# Altium PCB PCB.PcbDoc (part 6 of 7) (continued)
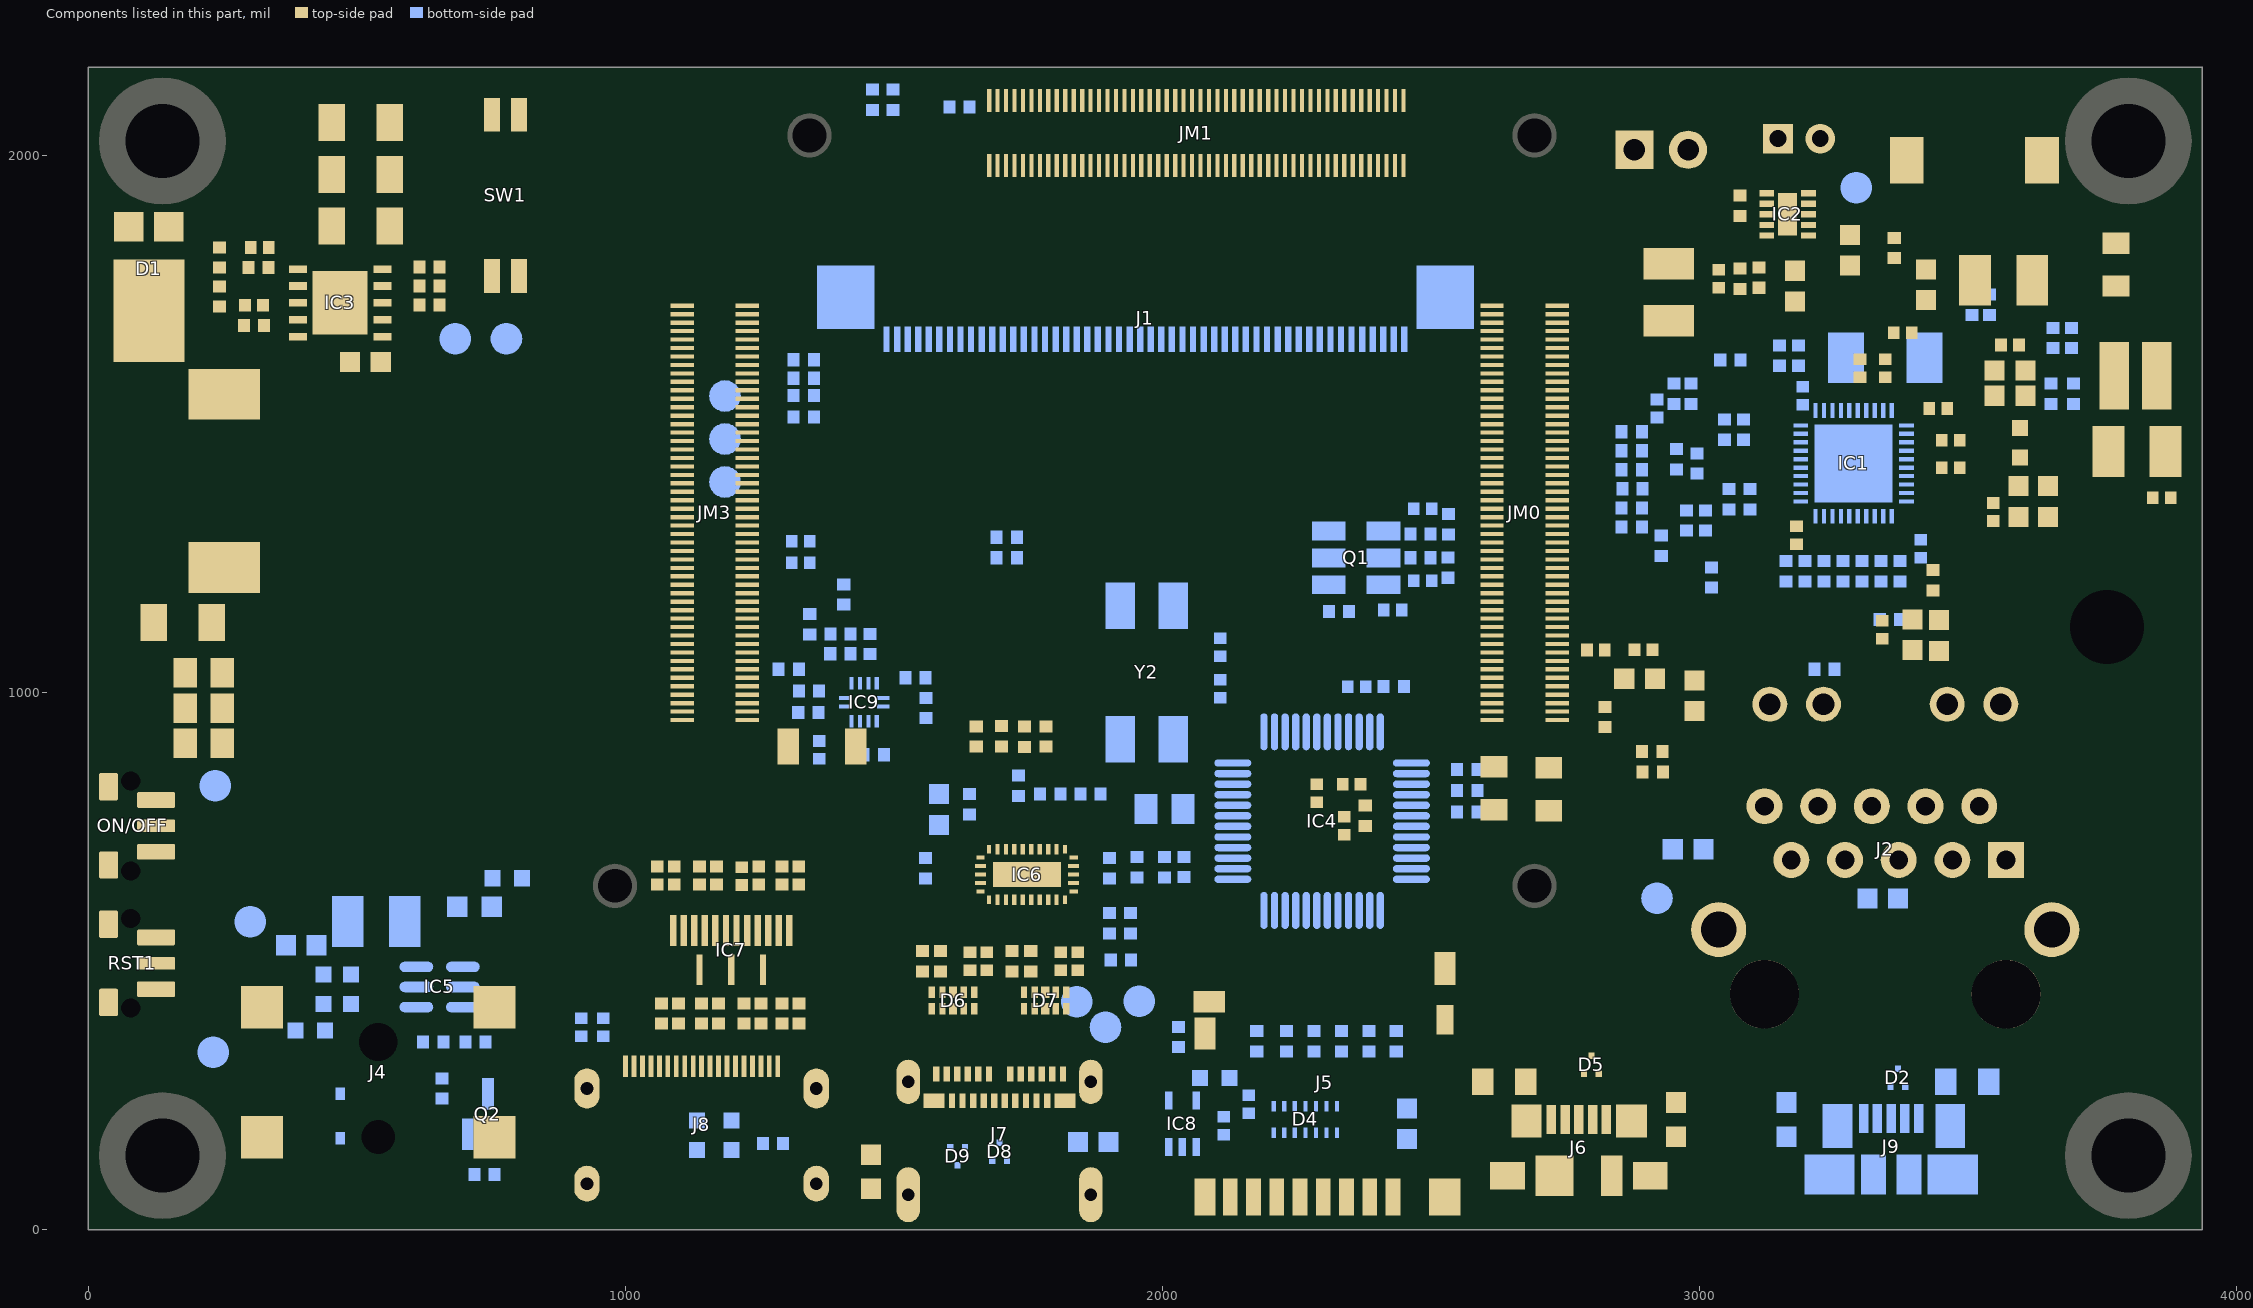
[diagram p10: the components of this part, seen from the top]
## Nets (pads, with @x,y where several pads share a name; then routed paths per layer and width w, separated by ;. In a path a pad name is that pad's centre, name@x,y a point inside that pad or via, vN(x,y) a via of type N, cw(c..) or ccw(c..) an arc to the next point about the centre after c; other vN are vias at no path point) (continued)
; 108.74,1492.69 108.74,1498.11 ; 108.74,1510.4 108.74,1515.82 ; 108.74,1521.24 108.74,1526.67 ; 108.74,1538.23 108.74,1544.02 ; 108.74,1550.52 108.74,1555.95 ; 108.74,1569.32 108.74,1574.74 ; 108.74,1593.9 108.74,1617.4 ; 108.92,1106.92 108.92,1184.28 ; 108.92,1243.2 108.92,1320.56 ; 109.11,1342.67 109.11,1348.09 ; 109.11,1360.38 109.11,1365.8 ; 109.11,1370.86 109.11,1376.65 ; 109.11,1388.22 109.11,1393.64 ; 109.11,1397.98 109.11,1421.11 ; 109.11,1426.53 109.11,1431.96 ; 109.11,1443.52 109.11,1448.95 ; 109.11,1467.74 109.11,1484.01 ; 109.11,1492.69 109.11,1498.11 ; 109.11,1510.4 109.11,1515.82 ; 109.11,1521.24 109.11,1526.67 ; 109.11,1538.23 109.11,1544.02 ; 109.11,1550.52 109.11,1555.95 ; 109.11,1569.32 109.11,1574.74 ; 109.11,1593.9 109.11,1617.4 ; 109.28,1106.92 109.28,1184.28 ; 109.28,1243.2 109.28,1320.56 ; 109.47,1342.67 109.47,1348.09 ; 109.47,1360.38 109.47,1365.8 ; 109.47,1370.86 109.47,1376.65 ; 109.47,1388.22 109.47,1393.64 ; 109.47,1397.98 109.47,1421.11 ; 109.47,1426.53 109.47,1431.96 ; 109.47,1443.52 109.47,1448.95 ; 109.47,1467.38 109.47,1482.56 ; 109.47,1492.69 109.47,1498.11 ; 109.47,1510.4 109.47,1515.82 ; 109.47,1521.24 109.47,1526.67 ; 109.47,1538.23 109.47,1544.02 ; 109.47,1550.52 109.47,1555.95 ; 109.47,1569.32 109.47,1574.74 ; 109.47,1593.9 109.47,1617.4 ; 109.64,1106.92 109.64,1183.92 ; 109.64,1243.57 109.64,1320.56 ; 109.83,1342.67 109.83,1348.09 ; 109.83,1360.38 109.83,1365.8 ; 109.83,1370.86 109.83,1376.65 ; 109.83,1388.22 109.83,1393.64 ; 109.83,1397.98 109.83,1403.4 ; 109.83,1415.69 109.83,1421.11 ; 109.83,1426.53 109.83,1431.96 ; 109.83,1443.52 109.83,1448.95 ; 109.83,1467.38 109.83,1479.31 ; 109.83,1492.69 109.83,1498.11 ; 109.83,1510.4 109.83,1515.82 ; 109.83,1521.24 109.83,1526.67 ; 109.83,1538.23 109.83,1544.02 ; 109.83,1550.52 109.83,1555.95 ; 109.83,1569.32 109.83,1574.74 ; 109.83,1594.26 109.83,1599.33 ; 109.83,1611.62 109.83,1617.4 ; 110,1106.92 110,1183.92 ; 110,1243.57 110,1320.56 ; 110.19,1342.67 110.19,1348.09 ; 110.19,1360.02 110.19,1365.8 ; 110.19,1370.86 110.19,1376.65 ; 110.19,1387.85 110.19,1393.64 ; 110.19,1397.98 110.19,1403.4 ; 110.19,1415.69 110.19,1421.11 ; 110.19,1426.53 110.19,1431.96 ; 110.19,1443.52 110.19,1448.95 ; 110.19,1467.38 110.19,1475.33 ; 110.19,1492.69 110.19,1498.11 ; 110.19,1510.4 110.19,1515.82 ; 110.19,1521.24 110.19,1526.67 ; 110.19,1538.23 110.19,1544.02 ; 110.19,1550.52 110.19,1555.95 ; 110.19,1569.32 110.19,1575.11 ; 110.19,1594.26 110.19,1599.33 ; 110.19,1611.62 110.19,1617.04 ; 110.36,1106.92 110.36,1183.92 ; 110.36,1243.57 110.36,1320.56 ; 110.55,1342.67 110.55,1348.09 ; 110.55,1360.02 110.55,1365.8 ; 110.55,1370.86 110.55,1376.65 ; 110.55,1387.85 110.55,1393.64 ; 110.55,1397.98 110.55,1403.4 ; 110.55,1415.69 110.55,1421.11 ; 110.55,1426.53 110.55,1431.96 ; 110.55,1443.52 110.55,1448.95 ; 110.55,1467.02 110.55,1474.25 ; 110.55,1492.69 110.55,1498.47 ; 110.55,1510.4 110.55,1515.82 ; 110.55,1521.24 110.55,1526.67 ; 110.55,1538.23 110.55,1544.02 ; 110.55,1550.52 110.55,1555.95 ; 110.55,1569.32 110.55,1575.11 ; 110.55,1594.26 110.55,1599.33 ; 110.55,1611.62 110.55,1617.04 ; 110.72,1106.92 110.72,1183.92 ; 110.72,1243.57 110.72,1320.56 ; 110.91,1342.67 110.91,1348.09 ; 110.91,1360.02 110.91,1365.8 ; 110.91,1370.86 110.91,1376.65 ; 110.91,1387.85 110.91,1393.64 ; 110.91,1397.98 110.91,1403.4 ; 110.91,1415.69 110.91,1421.11 ; 110.91,1426.53 110.91,1431.96 ; 110.91,1443.52 110.91,1448.95 ; 110.91,1467.02 110.91,1473.53 ; 110.91,1492.69 110.91,1498.47 ; 110.91,1510.4 110.91,1515.82 ; 110.91,1521.24 110.91,1526.67 ; 110.91,1538.23 110.91,1544.02 ; 110.91,1550.52 110.91,1555.95 ; 110.91,1569.32 110.91,1575.11 ; 110.91,1594.26 110.91,1599.69 ; 110.91,1611.62 110.91,1617.04 ; 111.08,1106.92 111.08,1183.92 ; 111.08,1243.57 111.08,1320.56 ; 111.27,1342.67 111.27,1348.09 ; 111.27,1360.02 111.27,1365.44 ; 111.27,1370.86 111.27,1376.65 ; 111.27,1387.85 111.27,1393.64 ; 111.27,1398.34 111.27,1403.4 ; 111.27,1415.33 111.27,1421.11 ; 111.27,1426.53 111.27,1431.96 ; 111.27,1443.52 111.27,1448.95 ; 111.27,1467.02 111.27,1472.8 ; 111.27,1492.69 111.27,1498.47 ; 111.27,1510.4 111.27,1515.82 ; 111.27,1521.24 111.27,1526.67 ; 111.27,1538.23 111.27,1544.02 ; 111.27,1550.52 111.27,1555.95 ; 111.27,1569.68 111.27,1575.11 ; 111.27,1594.26 111.27,1599.69 ; 111.27,1611.62 111.27,1617.04 ; 111.45,1106.92 111.45,1183.92 ; 111.45,1243.57 111.45,1320.56 ; 111.64,1342.67 111.64,1348.45 ; 111.64,1360.02 111.64,1365.44 ; 111.64,1370.86 111.64,1377.01 ; 111.64,1387.85 111.64,1393.64 ; 111.64,1398.34 111.64,1403.4 ; 111.64,1415.33 111.64,1421.11 ; 111.64,1426.53 111.64,1431.96 ; 111.64,1443.16 111.64,1448.95 ; 111.64,1467.02 111.64,1472.8 ; 111.64,1493.05 111.64,1498.47 ; 111.64,1510.04 111.64,1515.82 ; 111.64,1521.24 111.64,1526.67 ; 111.64,1538.23 111.64,1544.02 ; 111.64,1550.52 111.64,1555.95 ; 111.64,1569.68 111.64,1575.47 ; 111.64,1594.26 111.64,1599.69 ; 111.64,1611.62 111.64,1617.04 ; 111.81,1106.92 111.81,1183.92 ; 111.81,1243.57 111.81,1320.56 ; 112,1342.67 112,1348.45 ; 112,1360.02 112,1365.44 ; 112,1370.86 112,1377.01 ; 112,1387.85 112,1393.64 ; 112,1398.34 112,1403.76 ; 112,1415.33 112,1421.11 ; 112,1426.53 112,1432.32 ; 112,1443.16 112,1448.95 ; 112,1466.66 112,1472.44 ; 112,1493.05 112,1498.47 ; 112,1510.04 112,1515.82 ; 112,1521.24 112,1526.67 ; 112,1538.23 112,1544.02 ; 112,1550.52 112,1556.31 ; 112,1569.68 112,1575.47 ; 112,1594.63 112,1599.69 ; 112,1611.25 112,1617.04 ; 112.17,1106.92 112.17,1183.92 ; 112.17,1243.57 112.17,1320.56 ; 112.36,1343.03 112.36,1348.45 ; 112.36,1359.66 112.36,1365.44 ; 112.36,1370.86 112.36,1377.01 ; 112.36,1387.49 112.36,1393.28 ; 112.36,1398.34 112.36,1403.76 ; 112.36,1415.33 112.36,1420.75 ; 112.36,1426.53 112.36,1432.32 ; 112.36,1443.16 112.36,1448.95 ; 112.36,1466.66 112.36,1472.44 ; 112.36,1493.05 112.36,1498.83 ; 112.36,1510.04 112.36,1515.46 ; 112.36,1521.24 112.36,1526.67 ; 112.36,1538.23 112.36,1544.02 ; 112.36,1550.52 112.36,1556.31 ; 112.36,1569.68 112.36,1575.47 ; 112.36,1594.63 112.36,1599.69 ; 112.36,1611.25 112.36,1617.04 ; 112.53,1106.92 112.53,1183.92 ; 112.53,1243.57 112.53,1320.56 ; 112.72,1343.03 112.72,1348.81 ; 112.72,1359.66 112.72,1365.44 ; 112.72,1370.86 112.72,1377.37 ; 112.72,1387.49 112.72,1393.28 ; 112.72,1398.7 112.72,1403.76 ; 112.72,1414.97 112.72,1420.75 ; 112.72,1426.53 112.72,1432.32 ; 112.72,1442.8 112.72,1448.95 ; 112.72,1466.66 112.72,1472.44 ; 112.72,1493.05 112.72,1498.83 ; 112.72,1509.68 112.72,1515.46 ; 112.72,1521.24 112.72,1526.67 ; 112.72,1538.23 112.72,1544.02 ; 112.72,1550.52 112.72,1556.31 ; 112.72,1570.04 112.72,1575.83 ; 112.72,1594.63 112.72,1600.05 ; 112.72,1611.25 112.72,1617.04 ; 112.89,1106.92 112.89,1183.92 ; 112.89,1243.57 112.89,1320.56 ; 113.08,1343.03 113.08,1348.81 ; 113.08,1359.3 113.08,1365.44 ; 113.08,1370.86 113.08,1377.37 ; 113.08,1387.49 113.08,1393.28 ; 113.08,1398.7 113.08,1404.12 ; 113.08,1414.97 113.08,1420.75 ; 113.08,1426.53 113.08,1432.68 ; 113.08,1442.8 113.08,1448.95 ; 113.08,1466.66 113.08,1472.44 ; 113.08,1493.05 113.08,1499.19 ; 113.08,1509.68 113.08,1515.46 ; 113.08,1521.24 113.08,1526.67 ; 113.08,1538.23 113.08,1544.02 ; 113.08,1550.52 113.08,1556.67 ; 113.08,1570.04 113.08,1575.83 ; 113.08,1594.63 113.08,1600.05 ; 113.08,1610.89 113.08,1616.68 ; 113.25,1106.92 113.25,1183.92 ; 113.25,1243.57 113.25,1320.56 ; 113.44,1343.03 113.44,1349.17 ; 113.44,1359.3 113.44,1365.08 ; 113.44,1370.86 113.44,1377.37 ; 113.44,1387.13 113.44,1393.28 ; 113.44,1398.7 113.44,1404.12 ; 113.44,1414.6 113.44,1420.75 ; 113.44,1426.53 113.44,1432.68 ; 113.44,1442.44 113.44,1448.95 ; 113.44,1466.66 113.44,1472.44 ; 113.44,1493.41 113.44,1499.19 ; 113.44,1509.31 113.44,1515.46 ; 113.44,1521.24 113.44,1526.67 ; 113.44,1538.23 113.44,1544.02 ; 113.44,1550.52 113.44,1556.67 ; 113.44,1570.04 113.44,1576.19 ; 113.44,1587.76 113.44,1588.48 ; 113.44,1594.99 113.44,1600.41 ; 113.44,1610.89 113.44,1616.68 ; 113.61,1106.92 113.61,1183.92 ; 113.61,1243.57 113.61,1320.56 ; 113.8,1343.03 113.8,1349.17 ; 113.8,1358.93 113.8,1365.08 ; 113.8,1370.86 113.8,1377.73 ; 113.8,1387.13 113.8,1393.28 ; 113.8,1398.7 113.8,1404.48 ; 113.8,1414.6 113.8,1420.39 ; 113.8,1426.53 113.8,1433.04 ; 113.8,1442.44 113.8,1448.95 ; 113.8,1466.66 113.8,1472.44 ; 113.8,1493.41 113.8,1499.55 ; 113.8,1509.31 113.8,1515.46 ; 113.8,1521.24 113.8,1526.67 ; 113.8,1538.23 113.8,1544.02 ; 113.8,1550.52 113.8,1557.03 ; 113.8,1570.41 113.8,1576.55 ; 113.8,1587.4 113.8,1588.84 ; 113.8,1594.99 113.8,1600.41 ; 113.8,1610.53 113.8,1616.68 ; 113.98,1106.92 113.98,1183.56 ; 113.98,1243.93 113.98,1320.56 ; 114.17,1343.39 114.17,1349.54 ; 114.17,1358.57 114.17,1365.08 ; 114.17,1370.86 114.17,1378.09 ; 114.17,1386.77 114.17,1393.28 ; 114.17,1399.06 114.17,1404.84 ; 114.17,1414.24 114.17,1420.39 ; 114.17,1426.53 114.17,1433.4 ; 114.17,1442.08 114.17,1448.95 ; 114.17,1467.02 114.17,1472.44 ; 114.17,1484.37 114.17,1485.09 ; 114.17,1493.41 114.17,1499.92 ; 114.17,1508.95 114.17,1515.1 ; 114.17,1521.24 114.17,1526.67 ; 114.17,1538.23 114.17,1544.02 ; 114.17,1550.52 114.17,1557.39 ; 114.17,1570.41 114.17,1576.91 ; 114.17,1587.03 114.17,1589.2 ; 114.17,1594.99 114.17,1600.77 ; 114.17,1610.17 114.17,1616.32 ; 114.34,1106.92 114.34,1183.92 ; 114.34,1243.57 114.34,1320.56 ; 114.53,1343.39 114.53,1349.9 ; 114.53,1358.21 114.53,1364.72 ; 114.53,1370.86 114.53,1378.09 ; 114.53,1386.41 114.53,1393.28 ; 114.53,1399.06 114.53,1404.84 ; 114.53,1413.88 114.53,1420.39 ; 114.53,1426.53 114.53,1433.76 ; 114.53,1441.72 114.53,1448.58 ; 114.53,1467.02 114.53,1472.8 ; 114.53,1484.01 114.53,1485.46 ; 114.53,1493.77 114.53,1500.28 ; 114.53,1508.59 114.53,1515.1 ; 114.53,1521.24 114.53,1526.67 ; 114.53,1538.23 114.53,1544.02 ; 114.53,1550.52 114.53,1557.75 ; 114.53,1570.41 114.53,1577.27 ; 114.53,1586.67 114.53,1589.57 ; 114.53,1595.35 114.53,1601.13 ; 114.53,1610.17 114.53,1616.32 ; 114.7,1106.92 114.7,1183.92 ; 114.7,1243.57 114.7,1320.56 ; 114.89,1343.39 114.89,1350.26 ; 114.89,1357.85 114.89,1364.72 ; 114.89,1370.86 114.89,1378.45 ; 114.89,1386.05 114.89,1392.91 ; 114.89,1399.42 114.89,1405.21 ; 114.89,1413.52 114.89,1420.03 ; 114.89,1426.53 114.89,1434.12 ; 114.89,1441.35 114.89,1448.58 ; 114.89,1467.02 114.89,1472.8 ; 114.89,1483.29 114.89,1485.82 ; 114.89,1493.77 114.89,1500.64 ; 114.89,1508.23 114.89,1515.1 ; 114.89,1521.24 114.89,1526.67 ; 114.89,1538.23 114.89,1544.02 ; 114.89,1550.52 114.89,1558.12 ; 114.89,1565.35 114.89,1565.71 ; 114.89,1570.77 114.89,1577.64 ; 114.89,1586.31 114.89,1589.93 ; 114.89,1595.35 114.89,1601.49 ; 114.89,1609.81 114.89,1616.32 ; 115.06,1106.92 115.06,1183.92 ; 115.06,1243.57 115.06,1320.56 ; 115.25,1343.75 115.25,1350.98 ; 115.25,1357.49 115.25,1364.72 ; 115.25,1370.86 115.25,1379.18 ; 115.25,1385.68 115.25,1392.91 ; 115.25,1399.42 115.25,1405.93 ; 115.25,1413.16 115.25,1420.03 ; 115.25,1426.53 115.25,1434.49 ; 115.25,1440.99 115.25,1448.58 ; 115.25,1467.02 115.25,1473.17 ; 115.25,1482.56 115.25,1486.18 ; 115.25,1493.77 115.25,1501 ; 115.25,1507.51 115.25,1514.74 ; 115.25,1521.24 115.25,1526.67 ; 115.25,1538.23 115.25,1544.02 ; 115.25,1550.52 115.25,1558.48 ; 115.25,1564.62 115.25,1565.71 ; 115.25,1570.77 115.25,1578.36 ; 115.25,1585.59 115.25,1590.29 ; 115.25,1595.71 115.25,1601.86 ; 115.25,1609.45 115.25,1615.95 ; 115.42,1106.92 115.42,1183.92 ; 115.42,1243.57 115.42,1320.56 ; 115.61,1343.75 115.61,1351.7 ; 115.61,1356.77 115.61,1364.36 ; 115.61,1370.86 115.61,1379.9 ; 115.61,1384.96 115.61,1392.91 ; 115.61,1399.78 115.61,1406.29 ; 115.61,1412.8 115.61,1419.66 ; 115.61,1426.53 115.61,1435.21 ; 115.61,1440.27 115.61,1448.22 ; 115.61,1467.02 115.61,1473.53 ; 115.61,1481.84 115.61,1486.54 ; 115.61,1494.13 115.61,1501.72 ; 115.61,1506.78 115.61,1514.74 ; 115.61,1521.24 115.61,1526.67 ; 115.61,1538.23 115.61,1544.02 ; 115.61,1550.52 115.61,1559.2 ; 115.61,1563.9 115.61,1566.07 ; 115.61,1571.13 115.61,1579.08 ; 115.61,1584.87 115.61,1590.65 ; 115.61,1595.71 115.61,1602.22 ; 115.61,1608.72 115.61,1615.95 ; 115.78,1106.92 115.78,1183.92 ; 115.78,1243.57 115.78,1320.56 ; 115.97,1344.11 115.97,1352.79 ; 115.97,1355.68 115.97,1364.36 ; 115.97,1370.86 115.97,1380.62 ; 115.97,1383.88 115.97,1392.91 ; 115.97,1399.78 115.97,1407.01 ; 115.97,1412.07 115.97,1419.66 ; 115.97,1426.53 115.97,1436.29 ; 115.97,1439.19 115.97,1448.22 ; 115.97,1467.38 115.97,1474.25 ; 115.97,1480.76 115.97,1486.9 ; 115.97,1494.13 115.97,1502.81 ; 115.97,1505.7 115.97,1514.38 ; 115.97,1521.24 115.97,1526.67 ; 115.97,1538.23 115.97,1544.02 ; 115.97,1550.52 115.97,1560.28 ; 115.97,1563.18 115.97,1566.43 ; 115.97,1571.13 115.97,1580.17 ; 115.97,1583.78 115.97,1591.01 ; 115.97,1595.71 115.97,1602.94 ; 115.97,1608 115.97,1615.59 ; 116.14,1106.92 116.14,1183.92 ; 116.14,1243.57 116.14,1320.56 ; 116.34,1344.11 116.34,1364 ; 116.34,1370.86 116.34,1392.55 ; 116.34,1400.14 116.34,1408.1 ; 116.34,1410.99 116.34,1419.3 ; 116.34,1426.53 116.34,1447.86 ; 116.34,1467.38 116.34,1476.06 ; 116.34,1478.95 116.34,1486.9 ; 116.34,1494.49 116.34,1514.38 ; 116.34,1521.24 116.34,1526.67 ; 116.34,1538.23 116.34,1544.02 ; 116.34,1550.52 116.34,1566.79 ; 116.34,1571.49 116.34,1591.37 ; 116.34,1596.07 116.34,1604.02 ; 116.34,1606.92 116.34,1615.59 ; 116.51,1106.92 116.51,1183.92 ; 116.51,1243.57 116.51,1320.56 ; 116.7,1344.47 116.7,1363.63 ; 116.7,1370.86 116.7,1392.55 ; 116.7,1400.14 116.7,1419.3 ; 116.7,1426.53 116.7,1447.86 ; 116.7,1467.38 116.7,1487.26 ; 116.7,1494.85 116.7,1514.01 ; 116.7,1521.24 116.7,1526.67 ; 116.7,1538.23 116.7,1544.02 ; 116.7,1550.52 116.7,1567.15 ; 116.7,1571.85 116.7,1592.1 ; 116.7,1596.43 116.7,1615.23 ; 116.87,1106.92 116.87,1183.92 ; 116.87,1243.57 116.87,1320.56 ; 117.06,1344.84 117.06,1363.63 ; 117.06,1370.86 117.06,1392.19 ; 117.06,1400.51 117.06,1418.94 ; 117.06,1426.53 117.06,1447.5 ; 117.06,1467.74 117.06,1487.62 ; 117.06,1494.85 117.06,1513.65 ; 117.06,1521.24 117.06,1526.67 ; 117.06,1538.23 117.06,1544.02 ; 117.06,1550.52 117.06,1567.51 ; 117.06,1572.21 117.06,1591.73 ; 117.06,1596.43 117.06,1614.87 ; 117.23,1106.92 117.23,1183.92 ; 117.23,1243.57 117.23,1320.56 ; 117.42,1345.2 117.42,1363.27 ; 117.42,1370.86 117.42,1391.83 ; 117.42,1400.87 117.42,1418.58 ; 117.42,1426.53 117.42,1447.5 ; 117.42,1468.1 117.42,1487.99 ; 117.42,1495.22 117.42,1513.29 ; 117.42,1521.24 117.42,1526.67 ; 117.42,1538.23 117.42,1544.02 ; 117.42,1550.52 117.42,1567.51 ; 117.42,1572.21 117.42,1591.37 ; 117.42,1596.79 117.42,1614.51 ; 117.59,1106.92 117.59,1183.92 ; 117.59,1243.57 117.59,1320.56 ; 117.78,1345.2 117.78,1362.91 ; 117.78,1370.86 117.78,1391.83 ; 117.78,1400.87 117.78,1418.22 ; 117.78,1426.53 117.78,1447.14 ; 117.78,1468.1 117.78,1488.35 ; 117.78,1495.58 117.78,1513.29 ; 117.78,1521.24 117.78,1526.67 ; 117.78,1538.23 117.78,1544.02 ; 117.78,1550.52 117.78,1567.88 ; 117.78,1572.57 117.78,1591.01 ; 117.78,1597.16 117.78,1614.15 ; 117.95,1106.92 117.95,1183.92 ; 117.95,1243.57 117.95,1320.56 ; 118.14,1345.56 118.14,1362.55 ; 118.14,1370.86 118.14,1391.47 ; 118.14,1401.23 118.14,1417.86 ; 118.14,1426.53 118.14,1446.78 ; 118.14,1468.47 118.14,1487.99 ; 118.14,1495.94 118.14,1512.93 ; 118.14,1521.24 118.14,1526.67 ; 118.14,1538.23 118.14,1544.02 ; 118.14,1550.52 118.14,1568.24 ; 118.14,1572.94 118.14,1590.65 ; 118.14,1597.52 118.14,1614.15 ; 118.31,1106.92 118.31,1183.92 ; 118.31,1243.57 118.31,1320.56 ; 118.5,1345.92 118.5,1362.19 ; 118.5,1370.86 118.5,1376.65 ; 118.5,1377.01 118.5,1391.11 ; 118.5,1401.59 118.5,1417.5 ; 118.5,1426.53 118.5,1431.96 ; 118.5,1432.32 118.5,1446.41 ; 118.5,1468.83 118.5,1487.62 ; 118.5,1496.3 118.5,1512.57 ; 118.5,1521.24 118.5,1526.67 ; 118.5,1538.23 118.5,1544.02 ; 118.5,1550.52 118.5,1555.95 ; 118.5,1556.67 118.5,1568.6 ; 118.5,1573.3 118.5,1590.29 ; 118.5,1597.52 118.5,1613.78 ; 118.68,1106.92 118.68,1184.28 ; 118.68,1243.2 118.68,1320.56 ; 118.87,1346.28 118.87,1361.83 ; 118.87,1370.86 118.87,1376.65 ; 118.87,1377.37 118.87,1390.75 ; 118.87,1401.95 118.87,1417.13 ; 118.87,1426.53 118.87,1431.96 ; 118.87,1432.68 118.87,1446.05 ; 118.87,1469.19 118.87,1486.9 ; 118.87,1496.66 118.87,1512.21 ; 118.87,1521.24 118.87,1526.67 ; 118.87,1538.23 118.87,1544.02 ; 118.87,1550.52 118.87,1555.95 ; 118.87,1557.03 118.87,1568.96 ; 118.87,1573.66 118.87,1589.93 ; 118.87,1598.24 118.87,1613.06 ; 119.04,1106.92 119.04,1184.28 ; 119.04,1243.2 119.04,1320.56 ; 119.23,1346.64 119.23,1361.46 ; 119.23,1370.86 119.23,1376.65 ; 119.23,1377.73 119.23,1390.38 ; 119.23,1402.31 119.23,1416.77 ; 119.23,1426.53 119.23,1431.96 ; 119.23,1433.04 119.23,1446.05 ; 119.23,1469.55 119.23,1486.54 ; 119.23,1497.02 119.23,1511.84 ; 119.23,1521.24 119.23,1526.67 ; 119.23,1538.23 119.23,1544.02 ; 119.23,1550.52 119.23,1555.95 ; 119.23,1557.39 119.23,1569.32 ; 119.23,1574.38 119.23,1589.2 ; 119.23,1598.6 119.23,1612.7 ; 119.4,1106.92 119.4,1184.28 ; 119.4,1243.2 119.4,1320.56 ; 119.59,1347.37 119.59,1361.1 ; 119.59,1370.86 119.59,1376.65 ; 119.59,1378.09 119.59,1390.02 ; 119.59,1403.04 119.59,1416.05 ; 119.59,1426.53 119.59,1431.96 ; 119.59,1433.4 119.59,1445.33 ; 119.59,1469.91 119.59,1485.82 ; 119.59,1497.39 119.59,1511.12 ; 119.59,1521.24 119.59,1526.67 ; 119.59,1538.23 119.59,1544.02 ; 119.59,1550.52 119.59,1555.95 ; 119.59,1557.75 119.59,1569.32 ; 119.59,1574.74 119.59,1588.84 ; 119.59,1598.96 119.59,1612.34 ; 119.76,1106.92 119.76,1184.28 ; 119.76,1243.2 119.76,1320.56 ; 119.95,1347.73 119.95,1360.38 ; 119.95,1370.86 119.95,1376.65 ; 119.95,1378.45 119.95,1389.66 ; 119.95,1403.4 119.95,1415.69 ; 119.95,1426.53 119.95,1431.96 ; 119.95,1434.12 119.95,1444.97 ; 119.95,1470.63 119.95,1485.09 ; 119.95,1498.11 119.95,1510.76 ; 119.95,1521.24 119.95,1526.67 ; 119.95,1538.23 119.95,1544.02 ; 119.95,1550.52 119.95,1555.95 ; 119.95,1558.12 119.95,1568.96 ; 119.95,1575.47 119.95,1588.12 ; 119.95,1599.33 119.95,1611.62 ; 120.12,1106.92 120.12,1184.28 ; 120.12,1243.2 120.12,1320.56 ; 120.31,1348.45 120.31,1359.66 ; 120.31,1370.86 120.31,1376.65 ; 120.31,1379.18 120.31,1388.94 ; 120.31,1404.12 120.31,1414.97 ; 120.31,1426.53 120.31,1431.96 ; 120.31,1434.49 120.31,1444.25 ; 120.31,1471 120.31,1484.37 ; 120.31,1498.83 120.31,1510.04 ; 120.31,1521.24 120.31,1526.67 ; 120.31,1538.23 120.31,1544.02 ; 120.31,1550.52 120.31,1555.95 ; 120.31,1558.84 120.31,1568.24 ; 120.31,1576.19 120.31,1587.76 ; 120.31,1600.05 120.31,1610.89 ; 120.48,1106.92 120.48,1184.28 ; 120.48,1243.2 120.48,1320.56 ; 120.67,1349.17 120.67,1358.93 ; 120.67,1370.86 120.67,1376.65 ; 120.67,1379.9 120.67,1388.22 ; 120.67,1404.84 120.67,1414.24 ; 120.67,1426.53 120.67,1431.96 ; 120.67,1435.21 120.67,1443.52 ; 120.67,1472.08 120.67,1483.29 ; 120.67,1499.55 120.67,1509.31 ; 120.67,1521.24 120.67,1526.67 ; 120.67,1538.23 120.67,1544.02 ; 120.67,1550.52 120.67,1555.95 ; 120.67,1559.2 120.67,1567.51 ; 120.67,1576.91 120.67,1586.67 ; 120.67,1600.77 120.67,1610.17 ; 120.84,1106.92 120.84,1184.64 ; 120.84,1242.84 120.84,1320.56 ; 121.03,1350.26 121.03,1357.85 ; 121.03,1370.86 121.03,1376.65 ; 121.03,1380.99 121.03,1387.49 ; 121.03,1405.57 121.03,1413.16 ; 121.03,1426.53 121.03,1431.96 ; 121.03,1435.93 121.03,1442.8 ; 121.03,1472.8 121.03,1482.2 ; 121.03,1500.64 121.03,1508.23 ; 121.03,1521.24 121.03,1526.67 ; 121.03,1538.23 121.03,1544.02 ; 121.03,1550.52 121.03,1555.95 ; 121.03,1560.28 121.03,1566.79 ; 121.03,1578 121.03,1585.59 ; 121.03,1601.86 121.03,1609.45 ; 121.21,1106.92 121.21,1184.64 ; 121.21,1242.84 121.21,1320.56 ; 121.4,1351.34 121.4,1356.77 ; 121.4,1381.71 121.4,1386.41 ; 121.4,1407.01 121.4,1412.07 ; 121.4,1437.38 121.4,1441.72 ; 121.4,1474.61 121.4,1480.76 ; 121.4,1501.72 121.4,1507.15 ; 121.4,1561.37 121.4,1565.71 ; 121.4,1579.44 121.4,1584.5 ; 121.4,1603.3 121.4,1608 ; 121.57,1106.92 121.57,1184.64 ; 121.57,1242.84 121.57,1320.56 ; 121.93,1106.92 121.93,1184.64 ; 121.93,1242.84 121.93,1320.56 ; 122.29,1106.92 122.29,1185 ; 122.29,1242.48 122.29,1320.56 ; 122.65,1106.92 122.65,1185 ; 122.65,1242.48 122.65,1320.56 ; 123.01,1106.92 123.01,1185 ; 123.01,1242.48 123.01,1320.56 ; 123.37,1106.92 123.37,1185.37 ; 123.37,1242.12 123.37,1320.56 ; 123.74,1106.92 123.74,1185.37 ; 123.74,1242.12 123.74,1320.56 ; 124.1,1106.92 124.1,1185.37 ; 124.1,1242.12 124.1,1320.56 ; 124.46,1106.92 124.46,1185.73 ; 124.46,1241.76 124.46,1320.56 ; 124.82,1106.92 124.82,1185.73 ; 124.82,1241.76 124.82,1320.56 ; 125.18,1106.92 125.18,1185.73 ; 125.18,1241.76 125.18,1320.56 ; 125.54,1106.92 125.54,1186.09 ; 125.54,1241.4 125.54,1320.56 ; 125.91,1106.92 125.91,1186.09 ; 125.91,1241.4 125.91,1320.56 ; 126.27,1106.92 126.27,1186.45 ; 126.27,1241.03 126.27,1320.56 ; 126.63,1106.92 126.63,1186.45 ; 126.63,1241.03 126.63,1320.56 ; 126.99,1106.92 126.99,1186.81 ; 126.99,1240.67 126.99,1320.56 ; 127.35,1106.92 127.35,1186.81 ; 127.35,1240.67 127.35,1320.56 ; 127.71,1106.92 127.71,1187.17 ; 127.71,1240.31 127.71,1320.56 ; 128.07,1106.92 128.07,1187.17 ; 128.07,1240.31 128.07,1320.56 ; 128.44,1107.28 128.44,1187.53 ; 128.44,1239.95 128.44,1320.2 ; 128.8,1107.65 128.8,1187.53 ; 128.8,1239.95 128.8,1319.84 ; 129.16,1109.09 129.16,1187.9 ; 129.16,1239.59 129.16,1318.39 ; 129.52,1110.9 129.52,1187.9 ; 129.52,1239.59 129.52,1316.59 ; 129.88,1112.71 129.88,1188.26 ; 129.88,1239.23 129.88,1314.78 ; 130.24,1114.88 130.24,1188.62 ; 130.24,1238.87 130.24,1312.61 ; 130.6,1116.68 130.6,1188.62 ; 130.6,1238.87 130.6,1310.8 ; 130.97,1118.49 130.97,1188.98 ; 130.97,1238.5 130.97,1309 ; 131.33,1120.66 131.33,1189.34 ; 131.33,1238.14 131.33,1306.83 ; 131.69,1122.47 131.69,1189.34 ; 131.69,1238.14 131.69,1305.02 ; 132.05,1124.64 132.05,1189.7 ; 132.05,1237.78 132.05,1302.85 ; 132.41,1126.44 132.41,1190.07 ; 132.41,1237.42 132.41,1301.04 ; 132.77,1128.25 132.77,1190.43 ; 132.77,1237.06 132.77,1299.23 ; 133.13,1130.42 133.13,1190.43 ; 133.13,1237.06 133.13,1297.07 ; 133.5,1132.23 133.5,1190.79 ; 133.5,1236.7 133.5,1295.26 ; 133.86,1134.03 133.86,1191.15 ; 133.86,1236.34 133.86,1293.45 ; 134.22,1134.76 134.22,1191.51 ; 134.22,1235.97 134.22,1292.73 ; 134.58,1135.48 134.58,1191.87 ; 134.58,1235.61 134.58,1292.01 ; 134.94,1135.84 134.94,1192.23 ; 134.94,1235.25 134.94,1291.64 ; 135.3,1135.84 135.3,1192.6 ; 135.3,1234.89 135.3,1291.64 ; 135.67,1136.2 135.67,1192.96 ; 135.67,1234.53 135.67,1291.28 ; 136.03,1136.2 136.03,1193.32 ; 136.03,1234.17 136.03,1291.28 ; 136.39,1136.56 136.39,1193.68 ; 136.39,1233.81 136.39,1290.92 ; 136.75,1136.56 136.75,1194.04 ; 136.75,1233.44 136.75,1290.92 ; 137.11,1136.56 137.11,1194.4 ; 137.11,1233.08 137.11,1290.92 ; 137.47,1136.93 137.47,1195.13 ; 137.47,1232.36 137.47,1290.56 ; 137.83,1136.93 137.83,1195.49 ; 137.83,1232 137.83,1290.56 ; 138.2,1137.29 138.2,1195.85 ; 138.2,1231.64 138.2,1290.2 ; 138.56,1137.29 138.56,1196.57 ; 138.56,1230.91 138.56,1290.2 ; 138.92,1137.65 138.92,1196.93 ; 138.92,1230.55 138.92,1289.84 ; 139.28,1137.65 139.28,1197.66 ; 139.28,1229.83 139.28,1289.84 ; 139.64,1137.65 139.64,1198.02 ; 139.64,1229.47 139.64,1289.84 ; 140,1138.01 140,1198.74 ; 140,1228.74 140,1289.47 ; 140.36,1138.01 140.36,1199.46 ; 140.36,1228.02 140.36,1289.47 ; 140.73,1138.37 140.73,1200.19 ; 140.73,1227.3 140.73,1289.11 ; 141.09,1138.37 141.09,1200.91 ; 141.09,1226.58 141.09,1289.11 ; 141.45,1138.73 141.45,1201.63 ; 141.45,1225.85 141.45,1288.75 ; 141.81,1138.73 141.81,1202.36 ; 141.81,1225.13 141.81,1288.75 ; 142.17,1138.73 142.17,1203.44 ; 142.17,1224.05 142.17,1288.75 ; 142.53,1139.09 142.53,1204.16 ; 142.53,1223.32 142.53,1288.39 ; 142.9,1139.09 142.9,1205.61 ; 142.9,1221.88 142.9,1288.39 ; 143.26,1139.46 143.26,1207.05 ; 143.26,1220.43 143.26,1288.03 ; 143.62,1139.46 143.62,1208.86 ; 143.62,1218.62 143.62,1288.03 ; 143.98,1139.46 143.98,1211.75 ; 143.98,1215.73 143.98,1288.03 ; 144.34,1139.82 144.34,1287.67 ; 144.7,1139.82 144.7,1287.67 ; 145.06,1140.18 145.06,1287.31 ; 145.43,1140.18 145.43,1287.31 ; 145.79,1140.54 145.79,1286.94 ; 146.15,1140.54 146.15,1286.94 ; 146.51,1140.54 146.51,1286.94 ; 146.87,1140.9 146.87,1286.58 ; 147.23,1140.9 147.23,1286.58 ; 147.59,1141.26 147.59,1286.22 ; 147.96,1141.26 147.96,1286.22 ; 148.32,1141.63 148.32,1285.86 ; 148.68,1141.63 148.68,1285.86 ; 149.04,1141.63 149.04,1285.86 ; 149.4,1141.99 149.4,1285.5 ; 149.76,1141.99 149.76,1285.5 ; 150.12,1142.35 150.12,1285.14 ; 150.49,1142.35 150.49,1285.14 ; 150.85,1142.71 150.85,1284.78 ; 151.21,1142.71 151.21,1284.78 ; 151.57,1142.71 151.57,1284.78 ; 151.93,1143.07 151.93,1284.41 ; 152.29,1143.07 152.29,1284.41 ; 152.66,1143.43 152.66,1284.05 ; 153.02,1143.43 153.02,1284.05 ; 153.38,1143.79 153.38,1283.69 ; 153.74,1143.79 153.74,1283.69 ; 154.1,1143.79 154.1,1283.69 ; 154.46,1144.16 154.46,1283.33 ; 154.82,1144.16 154.82,1283.33 ; 155.19,1144.16 155.19,1283.33 ; 155.55,1144.16 155.55,1283.33 ; 155.91,1143.79 155.91,1283.69 ; 156.27,1143.79 156.27,1283.69 ; 156.63,1143.43 156.63,1284.05 ; 156.99,1143.43 156.99,1284.05 ; 157.35,1143.07 157.35,1284.41 ; 157.72,1142.71 157.72,1284.78 ; 158.08,1142.71 158.08,1284.78 ; 158.44,1142.35 158.44,1285.14 ; 158.8,1141.99 158.8,1285.5 ; 159.16,1141.99 159.16,1285.5 ; 159.52,1141.63 159.52,1285.86 ; 159.89,1141.26 159.89,1286.22 ; 160.25,1140.9 160.25,1286.58 ; 160.61,1140.9 160.61,1286.58 ; 160.97,1140.54 160.97,1286.94 ; 161.33,1140.18 161.33,1287.31 ; 161.69,1140.18 161.69,1287.31 ; 162.05,1139.82 162.05,1287.67 ; 162.42,1139.46 162.42,1288.03 ; 162.78,1139.46 162.78,1288.03 ; 163.14,1139.09 163.14,1288.39 ; 163.5,1138.73 163.5,1288.75 ; 163.86,1138.73 163.86,1288.75 ; 164.22,1138.37 164.22,1289.11 ; 164.58,1138.01 164.58,1289.47 ; 164.95,1138.01 164.95,1289.47 ; 165.31,1137.65 165.31,1289.84 ; 165.67,1137.29 165.67,1290.2 ; 166.03,1136.93 166.03,1290.56 ; 166.39,1136.93 166.39,1290.56 ; 166.75,1136.56 166.75,1290.92 ; 167.11,1136.2 167.11,1291.28 ; 167.48,1136.2 167.48,1291.28 ; 167.84,1135.84 167.84,1291.64 ; 168.2,1135.48 168.2,1292.01 ; 168.56,1135.48 168.56,1292.01 ; 168.92,1135.12 168.92,1292.37 ; 169.28,1134.76 169.28,1292.73 ; 169.65,1134.76 169.65,1292.73 ; 170.01,1134.4 170.01,1293.09 ; 170.37,1134.03 170.37,1293.45 ; 170.73,1134.03 170.73,1293.45 ; 171.09,1133.67 171.09,1293.81 ; 171.45,1133.31 171.45,1294.17 ; 171.81,1133.31 171.81,1294.17 ; 172.18,1132.95 172.18,1294.54 ; 172.54,1132.59 172.54,1294.9 ; 172.9,1132.23 172.9,1295.26 ; 173.26,1132.23 173.26,1295.26 ; 173.62,1131.87 173.62,1295.62 ; 173.98,1131.5 173.98,1295.98 ; 174.34,1131.5 174.34,1295.98 ; 174.71,1131.14 174.71,1296.34 ; 175.07,1130.78 175.07,1296.7 ; 175.43,1130.78 175.43,1296.7 ; 175.79,1130.42 175.79,1297.07 ; 176.15,1130.06 176.15,1297.43 ; 176.51,1130.06 176.51,1297.43 ; 176.88,1129.7 176.88,1297.79 ; 177.24,1129.33 177.24,1298.15 ; 177.6,1129.33 177.6,1298.15 ; 177.96,1128.97 177.96,1298.51 ; 178.32,1128.61 178.32,1298.87 ; 178.68,1128.61 178.68,1298.87 ; 179.04,1128.25 179.04,1299.23 ; 179.41,1128.25 179.41,1299.23 ; 179.77,1128.61 179.77,1298.87 ; 180.13,1128.61 180.13,1298.87 ; 180.49,1128.97 180.49,1298.51 ; 180.85,1129.33 180.85,1298.15 ; 181.21,1129.7 181.21,1297.79 ; 181.57,1130.06 181.57,1297.43 ; 181.94,1130.42 181.94,1297.07 ; 182.3,1130.78 182.3,1296.7 ; 182.66,1131.14 182.66,1296.34 ; 183.02,1131.5 183.02,1295.98 ; 183.38,1131.87 183.38,1295.62 ; 183.74,1132.23 183.74,1172.35 ; 183.74,1174.52 183.74,1252.96 ; 183.74,1255.13 183.74,1295.26 ; 184.11,1132.59 184.11,1171.63 ; 184.11,1175.24 184.11,1252.24 ; 184.11,1255.86 184.11,1294.9 ; 184.47,1132.95 184.47,1171.27 ; 184.47,1175.97 184.47,1251.52 ; 184.47,1256.22 184.47,1294.54 ; 184.83,1133.31 184.83,1170.91 ; 184.83,1177.05 184.83,1250.43 ; 184.83,1256.58 184.83,1294.17 ; 185.19,1133.67 185.19,1170.18 ; 185.19,1177.77 185.19,1249.71 ; 185.19,1257.3 185.19,1293.81 ; 185.55,1134.03 185.55,1169.82 ; 185.55,1178.86 185.55,1248.63 ; 185.55,1257.66 185.55,1293.45 ; 185.91,1134.4 185.91,1169.1 ; 185.91,1179.58 185.91,1247.9 ; 185.91,1258.39 185.91,1293.09 ; 186.27,1134.76 186.27,1168.74 ; 186.27,1180.67 186.27,1246.82 ; 186.27,1258.75 186.27,1292.73 ; 186.64,1135.12 186.64,1168.01 ; 186.64,1181.39 186.64,1246.1 ; 186.64,1259.47 186.64,1292.37 ; 187,1135.48 187,1167.65 ; 187,1182.47 187,1245.37 ; 187,1259.83 187,1292.01 ; 187.36,1135.84 187.36,1166.93 ; 187.36,1183.2 187.36,1244.29 ; 187.36,1260.56 187.36,1291.64